# Altium PCB CONTROLLER.PcbDoc (part 2 of 4) (continued)
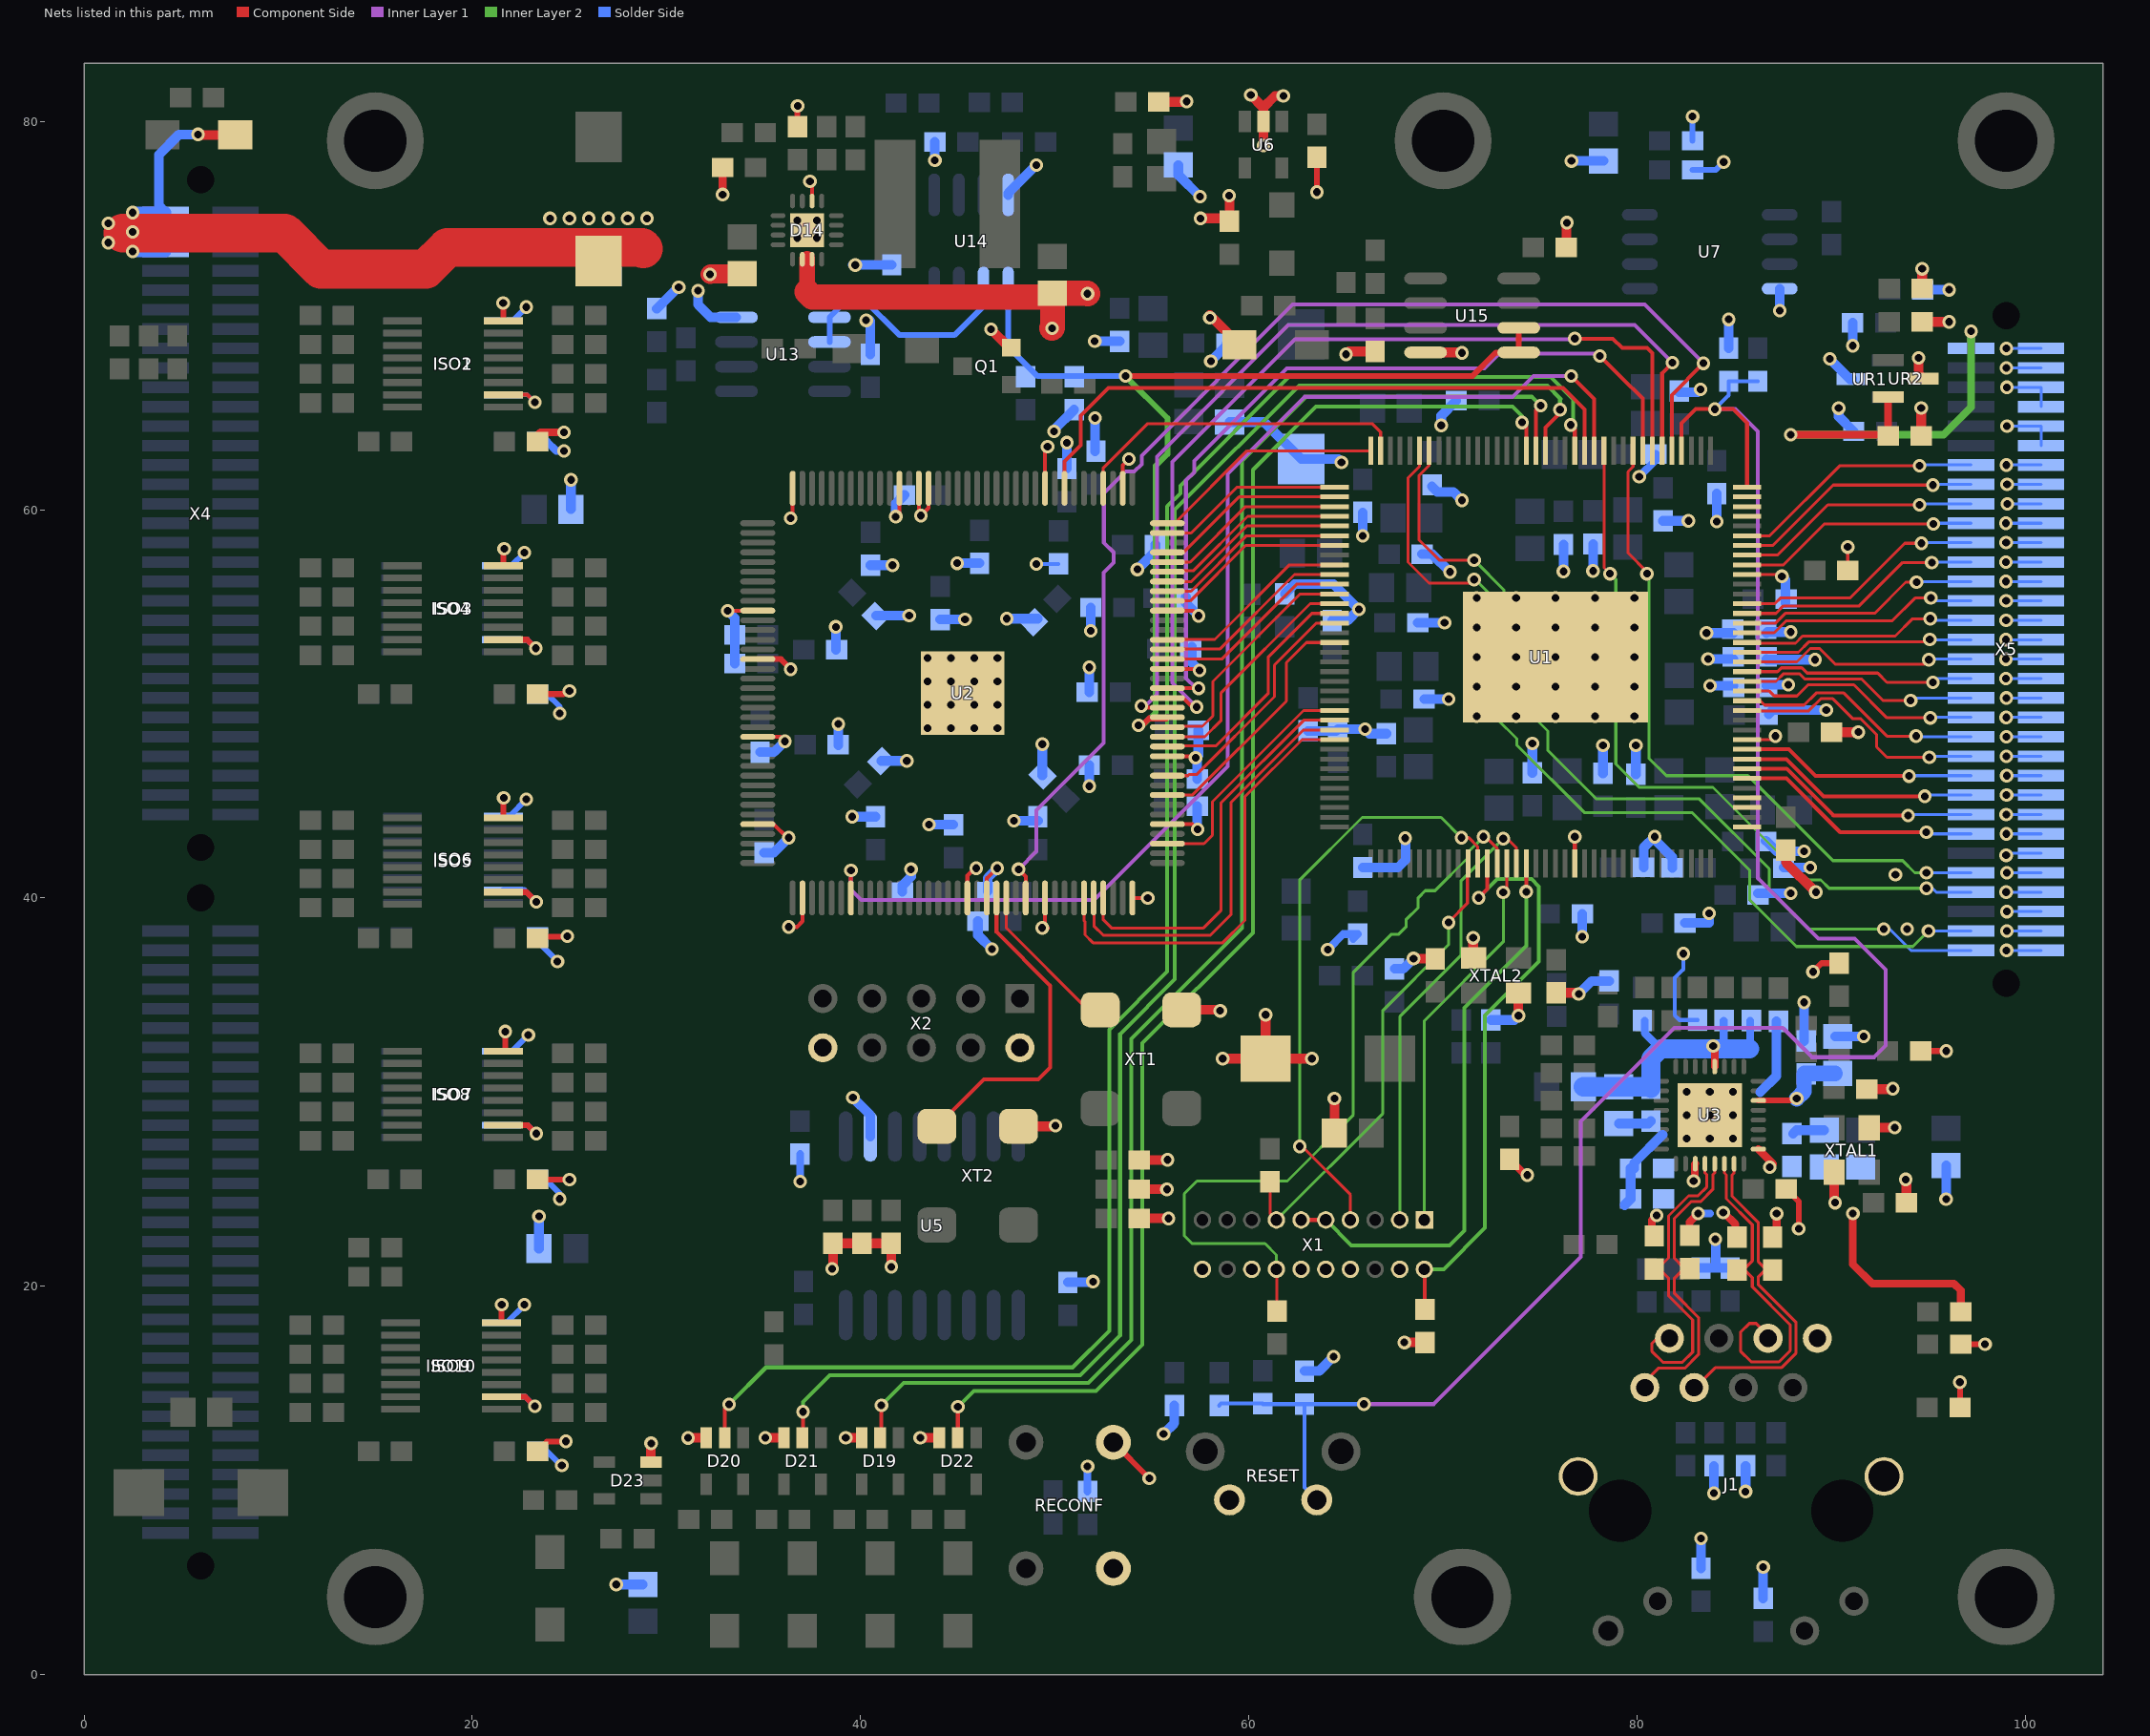
[diagram p6: the nets of this part, all layers, seen from the top]
## Nets (pads, with @x,y where several pads share a name; then routed paths per layer and width w, separated by ;. In a path a pad name is that pad's centre, name@x,y a point inside that pad or via, vN(x,y) a via of type N, cw(c..) or ccw(c..) an arc to the next point about the centre after c; other vN are vias at no path point) (continued)
  Inner Layer 1 w0.2: v1(39.5,41.424) 39.5,40.434 40.03,39.903 52.019,39.903 58.903,46.787 58.903,61.849 62.865,65.811 73.584,65.811 74.651,66.878 v1(76.606,66.878)
CPU_INOUT4: U1.14 U2.80 | length 33.2
  Component Side w0.2: U2.80@50.5,61.1 50.5,62.478 51.333,63.312 51.333,64.831 52.771,66.269 76.175,66.269 77.284,65.159 U1.14@77.284,63.031
CPU_OUT1: U1.5 U2.25 | length 64.8
  Component Side w0.2: v1(48.133,41.478) 48.5,41.111 U2.25@48.5,40 ; U1.5@81.784,63.031 81.784,65.909 v1(83.414,67.539)
  Inner Layer 1 w0.2: v1(48.133,41.478) 49.047,42.393 49.047,44.526 52.512,47.991 52.512,56.749 53.025,57.262 53.025,57.8 52.527,58.298 52.527,60.833 53.655,61.961 54.092,61.961 54.473,62.342 54.473,62.778 62.255,70.561 80.391,70.561 v1(83.414,67.539)
CPU_OUT2: U1.6 U2.53 | length 49.6
  Component Side w0.2: v1(54.458,49.886) 54.543,49.8 U2.53@55.8,49.8 ; U1.6@81.284,63.031 81.284,67.034 v1(81.813,67.564)
  Inner Layer 1 w0.2: v1(54.458,49.886) 54.661,49.886 55.27,50.495 55.27,62.738 62.033,69.501 79.877,69.501 v1(81.813,67.564)
CPU_OUT3: U1.7 U2.54 | length 47.5
  Component Side w0.2: U2.54@55.8,50.3 56.616,50.3 57.081,49.835 v1(57.302,49.835) ; v1(76.784,68.809) 78.74,68.809 79.223,68.326 80.518,68.326 80.784,68.06 U1.7@80.784,63.031
  Inner Layer 1 w0.2: v1(57.302,49.835) 56.058,51.079 56.058,62.459 62.382,68.783 v1@76.784,68.783
CPU_OUT4: U1.8 U2.55 | length 43
  Component Side w0.2: U2.55@55.8,50.8 v1(57.404,50.8) ; v1(78.08,67.92) 79.181,66.818 79.192,66.818 80.284,65.726 U1.8@80.284,63.031
  Inner Layer 1 w0.2: v1(57.404,50.8) 57.277,50.8 56.754,51.323 56.754,61.504 57.175,61.925 57.175,62.509 61.951,67.285 72.136,67.285 72.898,68.047 v1@78.08,68.047 ; v1@77.953,68.047 v1(78.08,67.92)
CPU_RESET: C28.2 C131.2 R52.1 R54.2 R88.1 RESET.2 U1.4 U1.144 | length 102.6
  Component Side w0.2: U1.4@82.284,63.031 82.284,64.453 83.007,65.176 v1(83.998,65.176) 84.938,65.176 85.659,64.455 U1.144@85.659,61.156
  Inner Layer 1 w0.2: v1(65.925,13.933) 69.528,13.933 77.1,21.505 77.1,28.5 81.9,33.3 87.5,33.3 89,31.8 92.2,31.8 92.8,32.4 92.8,36.3 91.2,37.9 89.324,37.9 86.208,41.016 86.208,64.033 85.065,65.176 v1(83.998,65.176)
  Solder Side w0.2: R88.1@58.471,13.857 58.572,13.958 R54.2@60.706,13.958 60.731,13.933 C131.2@62.865,13.933 ; RESET.2@63.5,9 62.865,9.635 C131.2@62.865,13.933 ; v1(65.925,13.933) C131.2@62.865,13.933 ; v1(83.998,65.176) 84.709,65.888 C28.2@84.709,66.612 R52.1@86.208,66.612
CPUJTAG_EMU0: R55.2 U1.83 X1.13 | length 24.4
  Component Side w0.15: R55.2@61.087,25.21 61.087,23.749 X1.13@61.417,23.419 ; v1(70.282,38.735) 70.282,38.76 71.256,39.735 71.256,41.753 U1.83@71.284,41.781
  Inner Layer 2 w0.15: X1.13@61.417,23.419 66.904,28.905 66.904,34.214 70.282,37.592 v1(70.282,38.735)
CPUJTAG_EMU1: R56.2 U1.86 X1.14 | length 39.9
  Component Side w0.15: X1.14@61.417,20.879 61.443,20.853 R56.2@61.443,18.732 ; v1(72.085,43.155) 72.187,43.155 72.526,42.815 72.784,42.557 U1.86@72.784,41.781
  Inner Layer 2 w0.15: X1.14@61.417,20.879 61.417,21.615 60.833,22.2 57.074,22.2 56.667,22.606 56.667,24.765 57.328,25.425 61.976,25.425 65.38,28.829 65.38,36.17 67.345,38.135 67.721,38.135 68.087,38.502 68.087,38.877 68.717,39.507 68.717,40.01 69.083,40.376 69.586,40.376 71.272,42.062 71.272,42.342 v1(72.085,43.155)
CPUJTAG_NTRST: R53.1 U1.85 X1.2 | length 30.4
  Component Side w0.2: X1.2@69.037,20.879 69.063,20.853 R53.1@69.063,18.808 ; v1(71.831,40.005) 72.284,40.458 U1.85@72.284,41.781
  Inner Layer 2 w0.2: X1.2@69.037,20.879 70.033,20.879 72.161,23.008 72.161,33.953 74.934,36.725 74.934,40.59 74.553,40.971 72.797,40.971 v1(71.831,40.005)
CPUJTAG_TCK: U1.89 X1.9 X1.11 | length 29.5
  Component Side w0.2: X1.11@62.687,23.419 X1.9@63.957,23.419 ; v1(74.284,40.321) U1.89@74.284,41.781
  Inner Layer 2 w0.2: X1.9@63.957,23.419 65.278,22.098 70.333,22.098 71.095,22.86 71.095,34.341 74.284,37.53 v1(74.284,40.321)
CPUJTAG_TDI: U1.88 X1.3 | length 23.5
  Component Side w0.15: v1(73.101,43.053) 73.304,43.053 73.784,42.574 U1.88@73.784,41.781
  Inner Layer 2 w0.15: X1.3@67.767,23.419 67.767,33.884 70.917,37.033 70.917,40.869 v1(73.101,43.053)
CPUJTAG_TDO: U1.84 X1.7 | length 30.7
  Component Side w0.15: v1(62.611,27.203) 62.738,27.203 65.227,24.714 X1.7@65.227,23.419 ; v1(70.942,43.104) 71.323,43.104 71.784,42.643 U1.84@71.784,41.781
  Inner Layer 2 w0.15: v1(62.611,27.203) 62.611,40.919 65.837,44.145 69.901,44.145 v1(70.942,43.104)
CPUJTAG_TMS: U1.87 X1.1 | length 20.1
  Component Side w0.15: v1(73.101,40.284) 73.284,40.467 U1.87@73.284,41.781
  Inner Layer 2 w0.15: X1.1@69.037,23.419 69.037,33.68 73.101,37.744 v1(73.101,40.284)
DA0_EPI0S0: U1.35 U2.76 | length 17.4
  Component Side w0.15: U2.76@52.5,61.1 52.5,62.152 54.762,64.414 66.37,64.414 66.784,64.001 U1.35@66.784,63.031
DA1_EPI0S1: U1.36 U2.72 | length 12
  Component Side w0.15: U2.72@55.8,59.3 56.176,59.3 59.907,63.031 U1.36@66.284,63.031
DA2_EPI0S2: U1.37 U2.71 | length 9.6
  Component Side w0.15: U2.71@55.8,58.8 57.022,58.8 59.378,61.156 U1.37@64.409,61.156
DA3_EPI0S3: U1.38 U2.69 | length 9.8
  Component Side w0.15: U2.69@55.8,57.8 56.632,57.8 59.487,60.656 U1.38@64.409,60.656
DA4_EPI0S4: U1.39 U2.68 | length 9.8
  Component Side w0.15: U2.68@55.8,57.3 56.97,57.3 59.826,60.156 U1.39@64.409,60.156
DA5_EPI0S5: U1.40 U2.67 | length 9.8
  Component Side w0.15: U2.67@55.8,56.8 55.845,56.845 57.125,56.845 59.935,59.656 U1.40@64.409,59.656
DA6_EPI0S6: U1.41 U2.66 | length 9.8
  Component Side w0.15: U2.66@55.8,56.3 57.037,56.3 59.892,59.156 U1.41@64.409,59.156
DA7_EPI0S7: U1.42 U2.65 | length 9.8
  Component Side w0.15: U2.65@55.8,55.8 57.019,55.8 59.875,58.656 U1.42@64.409,58.656
DA8_EPI0S8: U1.43 U2.64 | length 9.8
  Component Side w0.15: U2.64@55.8,55.3 56.968,55.3 56.972,55.296 59.832,58.156 U1.43@64.409,58.156
DA9_EPI0S9: U1.45 U2.60 | length 10.2
  Component Side w0.15: U2.60@55.8,53.3 55.815,53.315 58.242,53.315 62.083,57.156 U1.45@64.409,57.156
DA10_EPI0S10: U1.46 U2.59 | length 10.2
  Component Side w0.15: U2.59@55.8,52.8 55.832,52.832 58.522,52.832 62.345,56.656 U1.46@64.409,56.656
DA11_EPI0S11: U1.47 U2.58 | length 10.2
  Component Side w0.15: U2.58@55.8,52.3 U2.58@55.8,52.3 58.598,52.299 62.455,56.156 U1.47@64.409,56.156
DA12_EPI0S12: U1.48 U2.51 | length 12.5
  Component Side w0.15: U2.51@55.8,48.8 55.844,48.844 57.607,48.844 58.141,49.378 58.141,51.156 62.641,55.656 U1.48@64.409,55.656
DA13_EPI0S13: U1.49 U2.50 | length 12.3
  Component Side w0.15: U2.50@55.8,48.3 57.723,48.3 58.572,49.149 58.572,50.571 63.157,55.156 U1.49@64.409,55.156
DA14_EPI0S14: U1.50 U2.49 | length 12.5
  Component Side w0.15: U2.49@55.8,47.8 55.828,47.828 58.293,47.828 60.985,50.521 60.985,52.4 63.241,54.656 U1.50@64.409,54.656
DA15_EPI0S15: U1.51 U2.46 | length 12.8
  Component Side w0.15: U2.46@55.8,46.3 56.87,46.3 56.925,46.355 57.302,46.355 61.316,50.368 61.316,51.994 63.478,54.156 U1.51@64.409,54.156
DA16_EPI0S16: U1.63 U2.31 | length 23
  Component Side w0.15: U2.31@51.5,40 51.5,38.848 51.562,38.786 51.562,38.1 51.968,37.694 58.649,37.694 59.792,38.837 59.792,45.212 62.735,48.156 U1.63@64.409,48.156
DA17_EPI0S17: U1.62 U2.32 | length 21.8
  Component Side w0.15: U2.32@52,40 52.019,39.981 52.019,38.557 52.502,38.075 58.014,38.075 59.08,39.141 59.08,44.925 62.811,48.656 U1.62@64.409,48.656
DA18_EPI0S18: U1.61 U2.33 | length 20.9
  Component Side w0.15: U2.33@52.5,40 52.502,39.998 52.502,38.875 52.921,38.456 57.658,38.456 58.572,39.37 58.572,44.907 62.821,49.156 U1.61@64.409,49.156
DA19_EPI0S19: U1.60 U2.39 | length 12.5
  Component Side w0.15: U2.39@55.8,42.8 U2.39@55.8,42.8 57.683,42.799 58.115,43.231 58.115,44.958 62.813,49.656 U1.60@64.409,49.656
DGND: C1.2 C2.2 C3.2 C4.2 C5.2 C6.2 C7.2 C8.2 C9.2 C10.2 C11.2 C12.1 C13.1 C14.1 C15.1 C16.1 C17.2 C18.2 C19.2 C20.2 C21.1 C22.1 C23.1 C24.1 C25.1 C26.1 C27.1 C28.1 C33.1 C34.1 C35.1 C36.1 C37.1 C38.1 C39.1 C40.1 C41.2 C42.1 C43.1 C44.1 C68.1 C69.1 C70.1 C71.1 C72.2 C73.1 C74.1 C75.2 C76.1 C80.1 C81.1 C82.1 C83.1 C84.1 C85.1 C86.1 C87.1 C88.1 C89.2 C91.2 C92.1 C93.1 C94.2 C95.2 C96.1 C97.1 C98.1 C99.1 C100.1 C101.1 C102.1 C103.1 C104.1 C107.1 C110.1 C111.2 C112.2 C113.1 C114.1 C115.1 C116.1 C117.1 C120.1 C121.1 C123.1 C124.1 C126.1 C127.1 C128.1 C129.2 C130.2 C131.1 C132.1 C133.2 C134.2 C135.2 C136.2 C137.1 C138.1 C139.1 C140.1 C141.1 C142.1 C143.1 C144.1 C169.1 C170.1 C171.1 C172.1 C173.1 C177.2 C178.2 C179.2 C180.2 C181.2 C185.1 C225.1 C226.1 C227.1 D14.0 D14.6 D14.14 D14.15 D19.3 D20.3 D21.3 D22.3 D23.3 ISO1.2 ISO1.8 ISO2.9 ISO2.15 ISO3.2 ISO3.8 ISO4.9 ISO4.15 ISO5.2 ISO5.8 ISO6.9 ISO6.15 ISO7.2 ISO7.8 ISO8.9 ISO8.15 ISO9.2 ISO9.8 ISO10.9 ISO10.15 J1.8 J1.13 J1.14 LED2.1 LED5.1 Q1.2 R6.1 R8.2 R10.1 R18.1 R19.1 R20.1 R21.1 R22.1 R23.1 R31.1 R32.2 R38.1 R45.1 R46.1 R48.1 R49.1 R50.1 R53.2 R82.1 R85.1 R119.2 R127.2 R131.2 R133.2 R135.2 R137.2 R158.1 R159.2 RECONF.3 RECONF.4 RESET.1 U1.94 U1.EPAD U2.2 U2.19 U2.21 U2.27 U2.36 U2.41 U2.48 U2.57 U2.63 U2.74 U2.82 U2.94 U2.95 U2.97 U2.108 U2.118 U2.123 U2.131 U2.140 U2.145 U3.33 U5.10 U6.2 U7.4 U13.4 U14.4 U15.4 X1.4 X1.8 X1.10 X1.12 X1.16 X1.20 X2.2 X2.10 X4.62 X4.63 X4.64 X5.59 X5.60 X5.61 X5.62 X5.63 X5.64 XT1.2 XT2.2 XTAL1.2 XTAL1.4 XTAL2.2 XTAL2.4 | length 406.1
  Component Side w0.2: ISO1.2@21.6,65.913 22.835,65.913 v1(23.216,65.532) ; v1(33.147,54.788) 33.159,54.8 U2.118@34.7,54.8 ; U2.140@34.7,43.8 35.516,43.8 36.212,43.104 v1(36.297,43.104) ; U2.131@34.7,48.3 35.869,48.3 v1(36.098,48.071) ; v1(36.297,38.506) 36.703,38.506 37,38.803 U2.2@37,40 ; v1(36.398,59.563) 36.5,59.665 U2.108@36.5,61.1 ; v1(37.389,76.911) 37.495,76.805 D14.6@37.495,75.894 ; v1(41.808,59.639) 42,59.831 U2.97@42,61.1 ; U2.95@43,61.1 43,59.794 v1(43.104,59.69) 43.5,60.086 U2.94@43.5,61.1 ; U2.19@45.5,40 45.5,41.157 45.872,41.529 v1(45.949,41.529) ; U2.21@46.5,40 46.5,41.014 47.015,41.529 v1(47.041,41.529) ; v1(49.352,38.456) 49.632,38.456 49.5,38.587 U2.27@49.5,40 ; U2.82@49.5,61.1 49.5,63.114 v1(49.632,63.246) ; U2.74@53.5,61.1 53.5,62.288 v1(53.823,62.611) ; U2.36@54,40 v1(54.793,40) ; U2.41@55.8,43.8 57.089,43.8 v1(57.353,43.536) ; U2.48@55.8,47.3 57.17,47.3 v1(57.252,47.219) ; U2.57@55.8,51.8 57.369,51.8 v1(57.455,51.714) ; U2.63@55.8,54.8 57.138,54.8 v1(57.404,54.534) ; U1.94@76.784,41.781 v1(76.784,43.155)
  Component Side w0.3: ISO9.2@21.504,14.305 22.729,14.305 v1(23.216,13.818) ; ISO9.8@21.504,18.115 21.504,19.04 v1(21.514,19.05) ; v1(21.59,70.637) 21.6,70.627 ISO1.8@21.6,69.723 ; ISO7.2@21.6,28.305 22.851,28.305 v1(23.292,27.864) ; ISO7.8@21.6,32.115 21.692,32.206 v1(21.692,33.122) ; ISO5.2@21.6,40.305 22.789,40.305 v1(23.292,39.802) ; ISO5.8@21.6,44.115 21.6,45.146 v1(21.615,45.161) ; ISO3.2@21.6,53.305 22.819,53.305 v1(23.266,52.857) ; ISO3.8@21.6,57.115 21.6,57.947 v1(21.641,57.988) ; C181.2@23.35,11.5 23.85,12 24.802,12 v1(24.816,12.014) ; C180.2@23.35,25.5 v1(25,25.5) ; C179.2@23.35,38 24.868,38 v1(24.892,38.024) ; C178.2@23.35,50.5 24.687,50.5 25,50.813 v1(25,50.656) ; U2.123@34.7,52.3 35.889,52.3 36.389,51.8 v1(36.389,51.781) ; R85.1@36.745,79.723 36.745,80.778 v1(36.754,80.788) ; RECONF.4@53.014,11.963 v1(54.868,10.109) ; v1(63.5,76.352) C123.1@63.5,78.15 ; R32.2@87.675,25.015 88.316,24.374 v1(88.316,22.962) ; v1(89.052,36.195) 89.496,36.639 R20.1@90.399,36.639 ; R19.1@94.597,32.117 v1(95.924,32.117) ; v1(96.622,15.062) 96.622,13.779 R31.1@96.633,13.767 ; R48.1@96.659,17.018 v1(97.917,17.018)
  Component Side w0.4: C177.2@23.035,63.5 23.517,63.983 v1(24.714,63.983) ; v1(32.895,76.228) C128.1@32.895,77.619 ; R38.1@73.431,26.531 74.232,25.73 v1(74.346,25.73)
  Component Side w0.5: v1(5.867,79.324) 5.893,79.299 LED2.1@7.789,79.299 ; D23.3@29.2,10.95 29.2,11.903 v1(29.21,11.913) ; v1(31.115,12.192) 31.123,12.2 D20.3@32.05,12.2 ; v1(35.095,12.2) D21.3@36.05,12.2 ; v1(38.532,20.904) 38.574,20.946 C68.1@38.574,22.214 C69.1@40.074,22.214 C70.1@41.574,22.214 41.574,21.012 v1(41.58,21.006) ; v1(39.235,12.2) D19.3@40.05,12.2 ; v1(43.07,12.2) D22.3@44.05,12.2 ; v1(46.711,69.291) 47.666,68.336 Q1.2@47.757,68.336 ; XT2.2@48.132,28.239 50.007,28.239 v1(50.038,28.27) ; C71.1@54.35,23.5 55.85,23.5 v1(55.855,23.495) ; C73.1@54.35,25 55.772,25 v1(55.778,24.994) ; C76.1@54.35,26.5 55.786,26.5 v1(55.804,26.518) ; R82.1@55.35,81 56.768,81 v1(56.794,81.026) ; XT1.2@56.54,34.239 58.471,34.239 v1(58.522,34.188) ; v1(57.5,75) 58.85,75 C124.1@59,74.85 59,76.153 v1(58.979,76.175) ; v1(57.988,69.875) 57.988,70.012 LED5.1@59.5,68.5 ; v1(58.649,31.725) C136.2@60.859,31.725 ; v1(60.096,81.356) 60.743,80.71 ; v1@60.757,78.74 v1(60.743,78.754) U6.2@60.743,79.997 60.743,80.71 ; v1(60.859,33.986) C136.2@60.859,31.725 ; v1(61.773,81.305) 61.339,81.305 60.743,80.71 ; v1(63.246,31.725) C136.2@60.859,31.725 ; C144.1@64.404,27.889 v1(64.404,29.677) ; v1(65,68) 65.15,68.15 R127.2@66.5,68.15 ; v1(68.008,17.108) R53.2@69.063,17.108 ; v1(68.478,36.881) 68.492,36.867 C74.1@69.596,36.867 ; U15.4@69.1,68.095 70.945,68.095 v1(70.968,68.072) ; v1(71.552,37.948) 71.552,36.928 XTAL2.4@71.577,36.903 ; XTAL2.2@73.877,35.103 73.877,33.946 v1(73.889,33.934) ; C75.2@75.805,35.103 C75.2@75.819,35.116 76.923,35.116 v1(76.987,35.052) ; C227.1@76.35,73.5 76.35,74.75 v1(76.378,74.778) ; R8.2@87.655,42.457 87.655,41.834 89.189,40.3 v1(89.2,40.3) ; XTAL1.4@90.145,25.869 90.145,24.359 v1(90.195,24.308) ; C41.2@91.833,30.15 93.142,30.15 v1(93.167,30.175) ; XTAL1.2@91.945,28.169 v1(93.269,28.169) ; v1(93.828,25.502) 93.865,25.464 C42.1@93.865,24.308
  Component Side w0.8: 37.236,71.222 37.236,72.923
  Component Side w1: v1(32.245,72.119) 32.27,72.144 C126.1@33.895,72.144
  Component Side w1.3: 37.236,71.222 37.516,70.942 41.808,70.942 41.815,70.949 42.767,70.949 42.774,70.942 49.693,70.942 C127.1@49.886,71.135 ; v1(49.86,69.342) 49.886,69.367 C127.1@49.886,71.135 ; v1(51.689,71.12) 51.674,71.135 C127.1@49.886,71.135
  Component Side w2: 2.007,74.244 10.338,74.244 12.192,72.39 17.602,72.39 18.712,73.5 28.735,73.5 28.804,73.431
  Solder Side w0.15: v1(99,40.3) X5.61@100.8,40.3 ; v1(99,42.2) 99.1,42.3 X5.59@100.8,42.3 ; v1(99.022,37.3) X5.64@100.8,37.3 ; v1(99.035,41.3) X5.60@100.8,41.3 ; v1(99.038,38.3) X5.63@100.8,38.3 ; v1(99.041,39.3) X5.62@100.8,39.3
  Solder Side w0.2: ISO2.15@21.6,65.912 22.835,65.912 v1(23.216,65.532) ; v1(49.046,57.203) C101.1@50.19,57.203 ; v1(82.372,37.135) 82.372,36.322 81.94,35.89 81.94,33.96 82.185,33.715 R18.1@83.116,33.715
  Solder Side w0.3: ISO10.15@21.504,14.305 22.729,14.305 v1(23.216,13.818) ; ISO10.9@21.504,18.115 21.747,18.115 v1(22.682,19.05) ; ISO8.15@21.504,28.305 22.851,28.305 v1(23.292,27.864) ; ISO8.9@21.504,32.115 22.056,32.115 v1(22.885,32.944) ; ISO4.15@21.504,53.305 22.819,53.305 v1(23.266,52.857) ; ISO4.9@21.504,57.115 22.012,57.115 v1(22.682,57.785) ; ISO6.15@21.6,40.412 22.681,40.412 v1(23.292,39.802) ; ISO6.9@21.6,44.222 21.921,44.222 v1(22.784,45.085) ; ISO2.9@21.6,69.722 22.072,69.722 v1(22.784,70.434) ; C173.1@23.35,11.5 23.85,11.5 24.58,10.77 v1(24.613,10.77) ; C172.1@23.35,25.5 23.776,25.5 24.5,24.776 v1(24.5,24.5) ; C171.1@23.35,38 23.35,37.762 v1(24.384,36.728) ; C170.1@23.35,50.5 23.85,50.5 24.5,49.85 v1(24.5,49.5) ; C129.2@82.85,77.5 84.053,77.5 v1(84.455,77.902) ; C130.2@82.85,79 v1(82.85,80.243)
  Solder Side w0.4: C169.1@23.35,63.5 23.85,63.5 24.333,63.017 v1(24.714,63.017) ; v1(36.881,25.4) C115.1@36.881,26.811 ; C132.1@51.689,9.435 v1(51.689,10.719) ; v1(64.059,37.338) 64.86,38.139 C18.2@65.608,38.139 C18.2@65.366,37.897 ; v1(80.1,61.7) 80.962,62.562 C4.2@80.962,62.865
  Solder Side w0.5: X4.64@4.2,75.3 3.861,75.639 3.861,78.283 4.902,79.324 v1(5.867,79.324) ; C137.1@23.434,21.946 v1(23.434,23.607) ; C142.1@25.08,60.02 v1(25.08,61.534) ; v1(27.412,4.643) C140.1@28.778,4.643 ; R119.2@29.5,70.35 30.6,71.45 v1(30.632,71.45) ; v1(31.623,71.272) 31.623,70.561 32.279,69.905 U13.4@33.6,69.905 ; v1(33.147,54.788) 33.516,54.419 C102.1@33.516,53.543 C113.1@33.516,52.07 ; C112.2@34.823,47.512 35.539,47.512 v1(36.098,48.071) ; C107.1@35.027,42.33 35.523,42.33 v1(36.297,43.104) ; C82.1@38.721,52.781 v1(38.721,53.961) ; C72.2@38.848,47.854 v1(38.848,48.958) ; v1(39.561,44.182) C100.1@40.767,44.182 ; v1(39.599,29.718) 40.499,28.818 U5.10@40.499,27.716 ; v1(39.726,72.593) 39.617,72.593 39.605,72.605 C226.1@41.605,72.605 ; v1(40.284,69.748) 40.462,69.748 40.5,69.71 C225.1@40.5,68 ; C98.1@40.513,57.138 v1(41.644,57.138) ; C87.1@40.809,54.542 v1(42.503,54.542) ; C86.1@41.063,47.058 v1(42.376,47.058) ; v1(41.808,59.639) 41.808,60.311 C103.1@42.254,60.757 ; C110.1@42.152,40.31 42.152,40.654 42.596,41.097 v1(42.596,41.478) ; v1(43.524,43.776) C83.1@44.78,43.776 ; v1(43.823,77.996) R159.2@43.823,78.941 ; C88.1@44.094,54.344 v1(45.378,54.344) ; v1(44.97,57.24) C85.1@46.126,57.24 ; C93.1@46.038,38.811 46.038,38.086 v1(46.761,37.363) ; C99.1@46.546,40.335 46.546,41.035 v1(47.041,41.529) ; v1(47.523,54.381) 49.115,54.381 C117.1@49.132,54.365 ; U14.4@47.6,76.212 47.6,76.302 v1(49.047,77.749) ; v1(47.893,43.979) C81.1@49.149,43.979 ; C92.1@49.361,46.321 v1(49.361,47.921) ; v1(49.962,64.033) 49.962,64.112 R158.1@51,65.15 ; C104.1@50.622,62.115 v1(50.622,63.449) ; C116.1@50.673,20.205 51.929,20.205 v1(51.968,20.244) ; v1(51.779,45.759) C80.1@51.779,46.838 ; C84.1@51.779,50.597 v1(51.779,51.879) ; v1(51.855,53.758) C89.2@51.855,54.966 ; v1(52.056,68.67) C114.1@53.34,68.67 ; C97.1@52.07,63.004 v1(52.07,64.719) ; v1(54.254,56.921) 55.181,57.848 C121.1@55.181,58.191 ; v1(55.601,12.395) 56.159,12.954 C185.1@56.159,13.857 ; C138.1@56.363,77.749 56.363,77.241 v1(57.48,76.124) ; C91.2@56.755,55.499 56.755,55.182 v1(57.404,54.534) ; C111.2@57.06,52.934 57.06,52.109 v1(57.455,51.714) ; C94.2@57.34,44.729 57.34,43.549 v1(57.353,43.536) ; C96.1@57.34,46.126 57.34,47.131 v1(57.252,47.219) 57.39,47.357 C95.2@57.39,48.641 ; v1(58.039,67.64) 58.864,68.465 C120.1@58.864,68.58 ; C143.1@59.004,64.506 60.793,64.506 C134.2@62.687,62.611 64.592,62.611 v1(64.77,62.433) ; R135.2@61.849,55.663 62.345,56.159 64.364,56.159 v1(65.659,54.864) 65.087,54.292 C11.2@64.287,54.292 ; C131.1@62.865,15.633 63.613,15.633 v1(64.364,16.383) ; C10.2@63.043,48.604 64.492,48.604 C8.2@64.567,48.678 64.58,48.692 v1(65.989,48.692) 66.216,48.465 C7.2@67.075,48.465 ; C17.2@65.862,41.568 67.679,41.568 68.072,41.961 68.072,43.053 v1(68.047,43.078) ; v1(65.862,58.649) C12.1@65.862,59.856 ; R137.2@67.5,36.35 67.948,36.35 v1(68.478,36.881) ; C16.1@68.693,54.178 v1(70.079,54.178) ; C15.1@68.922,57.709 69.444,57.709 v1(70.358,56.794) ; C9.2@69.024,50.241 v1(70.282,50.241) ; C13.1@69.418,61.202 69.711,60.909 70.536,60.909 v1(70.968,60.477) ; v1(69.901,64.338) 69.901,64.833 C14.1@70.676,65.608 ; R131.2@72.466,33.718 73.672,33.718 v1(73.889,33.934) ; C20.2@74.6,46.443 v1(74.6,47.955) ; v1(76.2,56.82) C6.2@76.2,58.205 ; v1(76.611,77.958) C141.1@78.257,77.958 ; v1(76.987,35.052) 77.66,35.724 R133.2@78.562,35.724 ; v1(77.171,38.004) C19.2@77.171,39.183 ; v1(77.724,56.845) C5.2@77.724,58.23 ; C21.1@78.232,46.418 v1(78.232,47.854) ; C34.1@79.052,28.383 80.578,28.383 C33.1@80.703,28.508 ; C35.1@79.347,24.181 C35.1@79.664,24.497 C36.1@79.664,26.072 79.844,26.072 79.844,26.351 81.305,27.813 ; C23.1@79.934,46.367 v1(79.934,47.854) ; C22.1@80.332,41.584 80.332,42.588 v1(80.899,43.155) 80.899,43.002 81.807,42.094 C25.1@81.807,41.558 ; C3.2@81.331,59.424 v1(82.64,59.424) ; C2.2@82.163,66.042 83.111,66.042 v1(83.261,66.192) ; R6.1@82.46,38.71 83.707,38.71 v1(83.707,39.208) ; R50.1@83.287,5.473 v1(83.287,7.01) ; R46.1@83.287,20.941 84.049,20.941 ; v1(83.57,53.649) R10.1@84.957,53.649 ; v1(83.646,52.303) R22.1@84.957,52.303 ; v1(83.748,50.931) R23.1@84.957,50.931 ; v1(83.954,9.34) R45.1@83.954,10.754 ; v1(84.023,22.428) 84.049,22.403 84.049,20.941 ; v1(84.099,59.385) C1.2@84.099,60.821 ; C28.1@84.709,68.312 v1(84.709,69.799) ; C44.1@84.785,20.941 84.049,20.941 ; v1(85.58,9.43) C43.1@85.58,10.754 ; C24.1@86.225,40.238 v1(87.905,40.238) ; 86.335,29.997 87.173,30.836 R21.1@87.173,33.643 ; R49.1@86.487,3.923 v1(86.487,5.537) ; C26.1@86.619,42.942 86.629,42.951 87.18,42.4 v1(88.6,42.4) ; v1(87.336,70.246) U7.4@87.336,71.379 ; C27.1@87.534,41.57 v1(88.91,41.57) ; C37.1@88.032,27.862 88.208,28.038 C38.1@89.632,28.038 ; C39.1@88.591,32.637 v1(88.591,34.624) ; C40.1@90.191,32.864 v1(91.665,32.864) ; v1(95.91,24.486) C139.1@95.91,26.228
  Solder Side w0.6: v1(2.5,73.3) X4.62@4.2,73.3 ; v1(2.5,74.3) X4.63@4.2,74.3 ; v1(2.5,75.3) X4.64@4.2,75.3
  other v1: 82.54,27.615 83.74,27.615 84.94,27.615 82.54,28.815 83.74,28.815 84.94,28.815 82.54,30.015 83.74,30.015 84.94,30.015 93.9,38.4 93.3,41.2 43.45,48.75 44.65,48.75 45.85,48.75 47.05,48.75 71.728,49.358 73.76,49.358 75.792,49.358 77.824,49.358 79.856,49.358 43.45,49.95 44.65,49.95 45.85,49.95 47.05,49.95 71.728,50.882 73.76,50.882 75.792,50.882 77.824,50.882 79.856,50.882 43.45,51.15 44.65,51.15 45.85,51.15 47.05,51.15 43.45,52.35 44.65,52.35 45.85,52.35 47.05,52.35 71.728,52.406 73.76,52.406 75.792,52.406 77.824,52.406 79.856,52.406 71.728,53.93 73.76,53.93 75.792,53.93 77.824,53.93 79.856,53.93 71.728,55.454 73.76,55.454 75.792,55.454 77.824,55.454 79.856,55.454 1.25,73.75 36.745,73.994 37.745,73.994 1.25,74.75 36.745,74.894 37.745,74.894 24,75 25,75 26,75 27,75 28,75 29,75
ENET_VDDA: C35.2 C36.2 C37.2 C38.2 L8.2 R27.2 R28.2 R29.2 R30.2 R47.2 U3.1 U3.27 | length 17.8
  Component Side w0.4: R28.2@80.754,22.614 80.754,23.401 v1(80.999,23.646) ; R27.2@82.702,22.618 82.702,23.314 v1(83.138,23.749) ; R27.2@82.752,22.614 R27.2@82.752,22.681 ; v1(82.906,25.425) 82.965,25.484 82.965,26.29 U3.27@82.99,26.315 ; v1(84.43,23.8) 84.455,23.8 85.055,23.2 R30.2@85.055,22.614 ; U3.1@86.24,27.065 87,26.305 v1(86.825,26.13) ; R29.2@87.18,22.614 v1(87.18,23.741) ; v1(91.11,23.749) 91.11,21.133 92.1,20.142 96.317,20.142 96.669,19.79 R47.2@96.669,18.69
  Solder Side w0.4: v1(83.138,23.749) 83.754,23.749
ENET_VDDCR: C39.2 C40.2 U3.6 | length 5.1
  Component Side w0.3: U3.6@86.24,29.565 88.112,29.565 v1(88.214,29.667)
  Inner Layer 1 w0.3: v1@88.214,29.616 v1(88.214,29.667)
  Solder Side w0.8: v1(88.214,29.667) 88.591,30.044 88.591,30.937 88.618,30.964 C40.2@90.191,30.964
ENET_VDDIO: C33.2 C34.2 L9.2 R15.2 R16.2 R17.2 U3.12 | length 16.1
  Component Side w0.4: v1(83.909,32.372) 83.99,32.292 U3.12@83.99,31.315
  Solder Side w0.4: R17.2@80.387,33.68 80.387,33.05 81.204,32.233 ; R15.2@84.451,33.68 84.451,32.313 84.531,32.233 ; 85.776,32.233 85.822,32.279 R16.2@85.822,33.68
  Solder Side w1: L9.2@77.234,30.273 80.639,30.273 C33.2@80.703,30.208 80.703,31.732 81.204,32.233 84.531,32.233 85.776,32.233
ENETRX_N: J1.6 R30.1 U3.30 | length 17.8
  Component Side w0.15: U3.30@84.49,26.315 84.49,25.84 84.59,25.74 84.59,24.511 85.928,23.172 85.928,21.311 R30.1@85.459,20.842 ; R30.1@85.141,20.842 R30.1@85.459,20.842 ; J1.6@86.773,17.293 86.773,17.443 86.131,18.085 85.776,18.085 85.319,17.628 85.319,16.662 85.877,16.104 87.3,16.104 87.884,16.688 87.884,18.016 85.928,19.972 85.928,20.447 85.534,20.842 R30.1@85.459,20.842
ENETRX_P: J1.3 R29.1 U3.31 | length 17.8
  Component Side w0.15: J1.3@82.963,14.753 84.014,15.804 87.424,15.804 88.184,16.564 88.184,18.14 86.228,20.096 86.228,20.472 86.597,20.842 R29.1@86.672,20.842 ; U3.31@84.99,26.315 84.99,25.84 84.89,25.74 84.89,24.635 86.228,23.297 86.228,21.285 R29.1@86.672,20.842 ; R29.1@86.97,20.842 R29.1@86.672,20.842
ENETTX_N: J1.2 R28.1 U3.28 | length 16.2
  Component Side w0.15: R28.1@80.754,20.914 R28.1@81.066,20.914 ; J1.2@81.693,17.293 80.997,17.293 80.747,17.043 80.747,16.662 81.331,16.078 82.321,16.078 82.855,16.612 82.855,18.27 81.615,19.51 81.615,20.422 81.123,20.914 R28.1@81.066,20.914 ; U3.28@83.49,26.315 83.49,25.84 83.59,25.74 83.59,25.119 83.129,24.659 82.65,24.659 81.615,23.624 81.615,21.463 R28.1@81.066,20.914
ENETTX_P: J1.1 R27.1 U3.29 | length 16.2
  Component Side w0.15: J1.1@80.423,14.753 80.423,15.12 81.082,15.778 82.446,15.778 83.155,16.487 83.155,18.394 81.915,19.634 81.915,20.422 82.407,20.914 82.752,20.914 82.677,20.989 82.364,20.989 81.915,21.438 81.915,23.5 82.774,24.359 83.261,24.359 83.89,24.987 83.89,25.74 83.99,25.84 U3.29@83.99,26.315
EPWM5A: D20.2 U1.15 | length 93.8
  Component Side w0.2: D20.2@33,12.2 33,13.696 v1(33.223,13.919) ; v1(76.581,64.364) 76.784,64.161 U1.15@76.784,63.031
  Inner Layer 2 w0.2: v1(33.223,13.919) 35.128,15.824 50.927,15.824 52.807,17.704 52.807,33.223 55.785,36.201 55.785,60.16 56.464,60.84 56.464,61.239 62.052,66.827 75.54,66.827 76.698,65.669 76.698,64.48 v1(76.581,64.364)
EPWM5B: D21.2 U1.18 | length 89.1
  Component Side w0.2: D21.2@37,12.2 37.033,12.233 v1(37.033,13.538) ; U1.18@75.284,63.031 75.284,64.235 76.022,64.973 v1(76.022,65.151)
  Inner Layer 2 w0.2: v1(37.033,13.538) 37.033,14.046 38.411,15.424 51.317,15.424 53.365,17.472 53.365,32.992 56.185,35.811 56.185,59.995 62.586,66.396 75.362,66.396 76.048,65.71 76.022,65.684 v1(76.022,65.151)
EPWM6A: D19.2 U1.19 | length 83
  Component Side w0.2: D19.2@41,12.2 41.072,12.272 v1(41.072,13.868) ; U1.19@74.784,63.031 74.784,65.106 v1(75.032,65.354)
  Inner Layer 2 w0.2: v1(41.072,13.868) 42.219,15.016 51.735,15.016 53.95,17.23 53.95,32.75 59.639,38.439 59.639,62.509 62.941,65.811 74.574,65.811 v1(75.032,65.354)
EPWM6B: D22.2 U1.20 | length 77.1
  Component Side w0.2: D22.2@45,12.2 45.009,12.209 v1(45.009,13.792) ; v1(74.066,64.491) 74.284,64.273 U1.20@74.284,63.031
  Inner Layer 2 w0.2: v1(45.009,13.792) 45.833,14.616 52.125,14.616 54.508,16.999 54.508,32.518 60.198,38.208 60.198,62.052 63.449,65.303 73.584,65.303 74.066,64.821 v1(74.066,64.491)